# Altium PCB PCB_with_drawing.PcbDoc (part 5 of 5)
Units mm, origin at the board's own origin, x right, y up, seen from the top; angles counter-clockwise.
Board outline 425 x 295 mm, 2 copper layers (Top Layer, Bottom Layer), stack 3.4 mm thick; 489 components, 419 nets, 1569 pads, 847 vias.
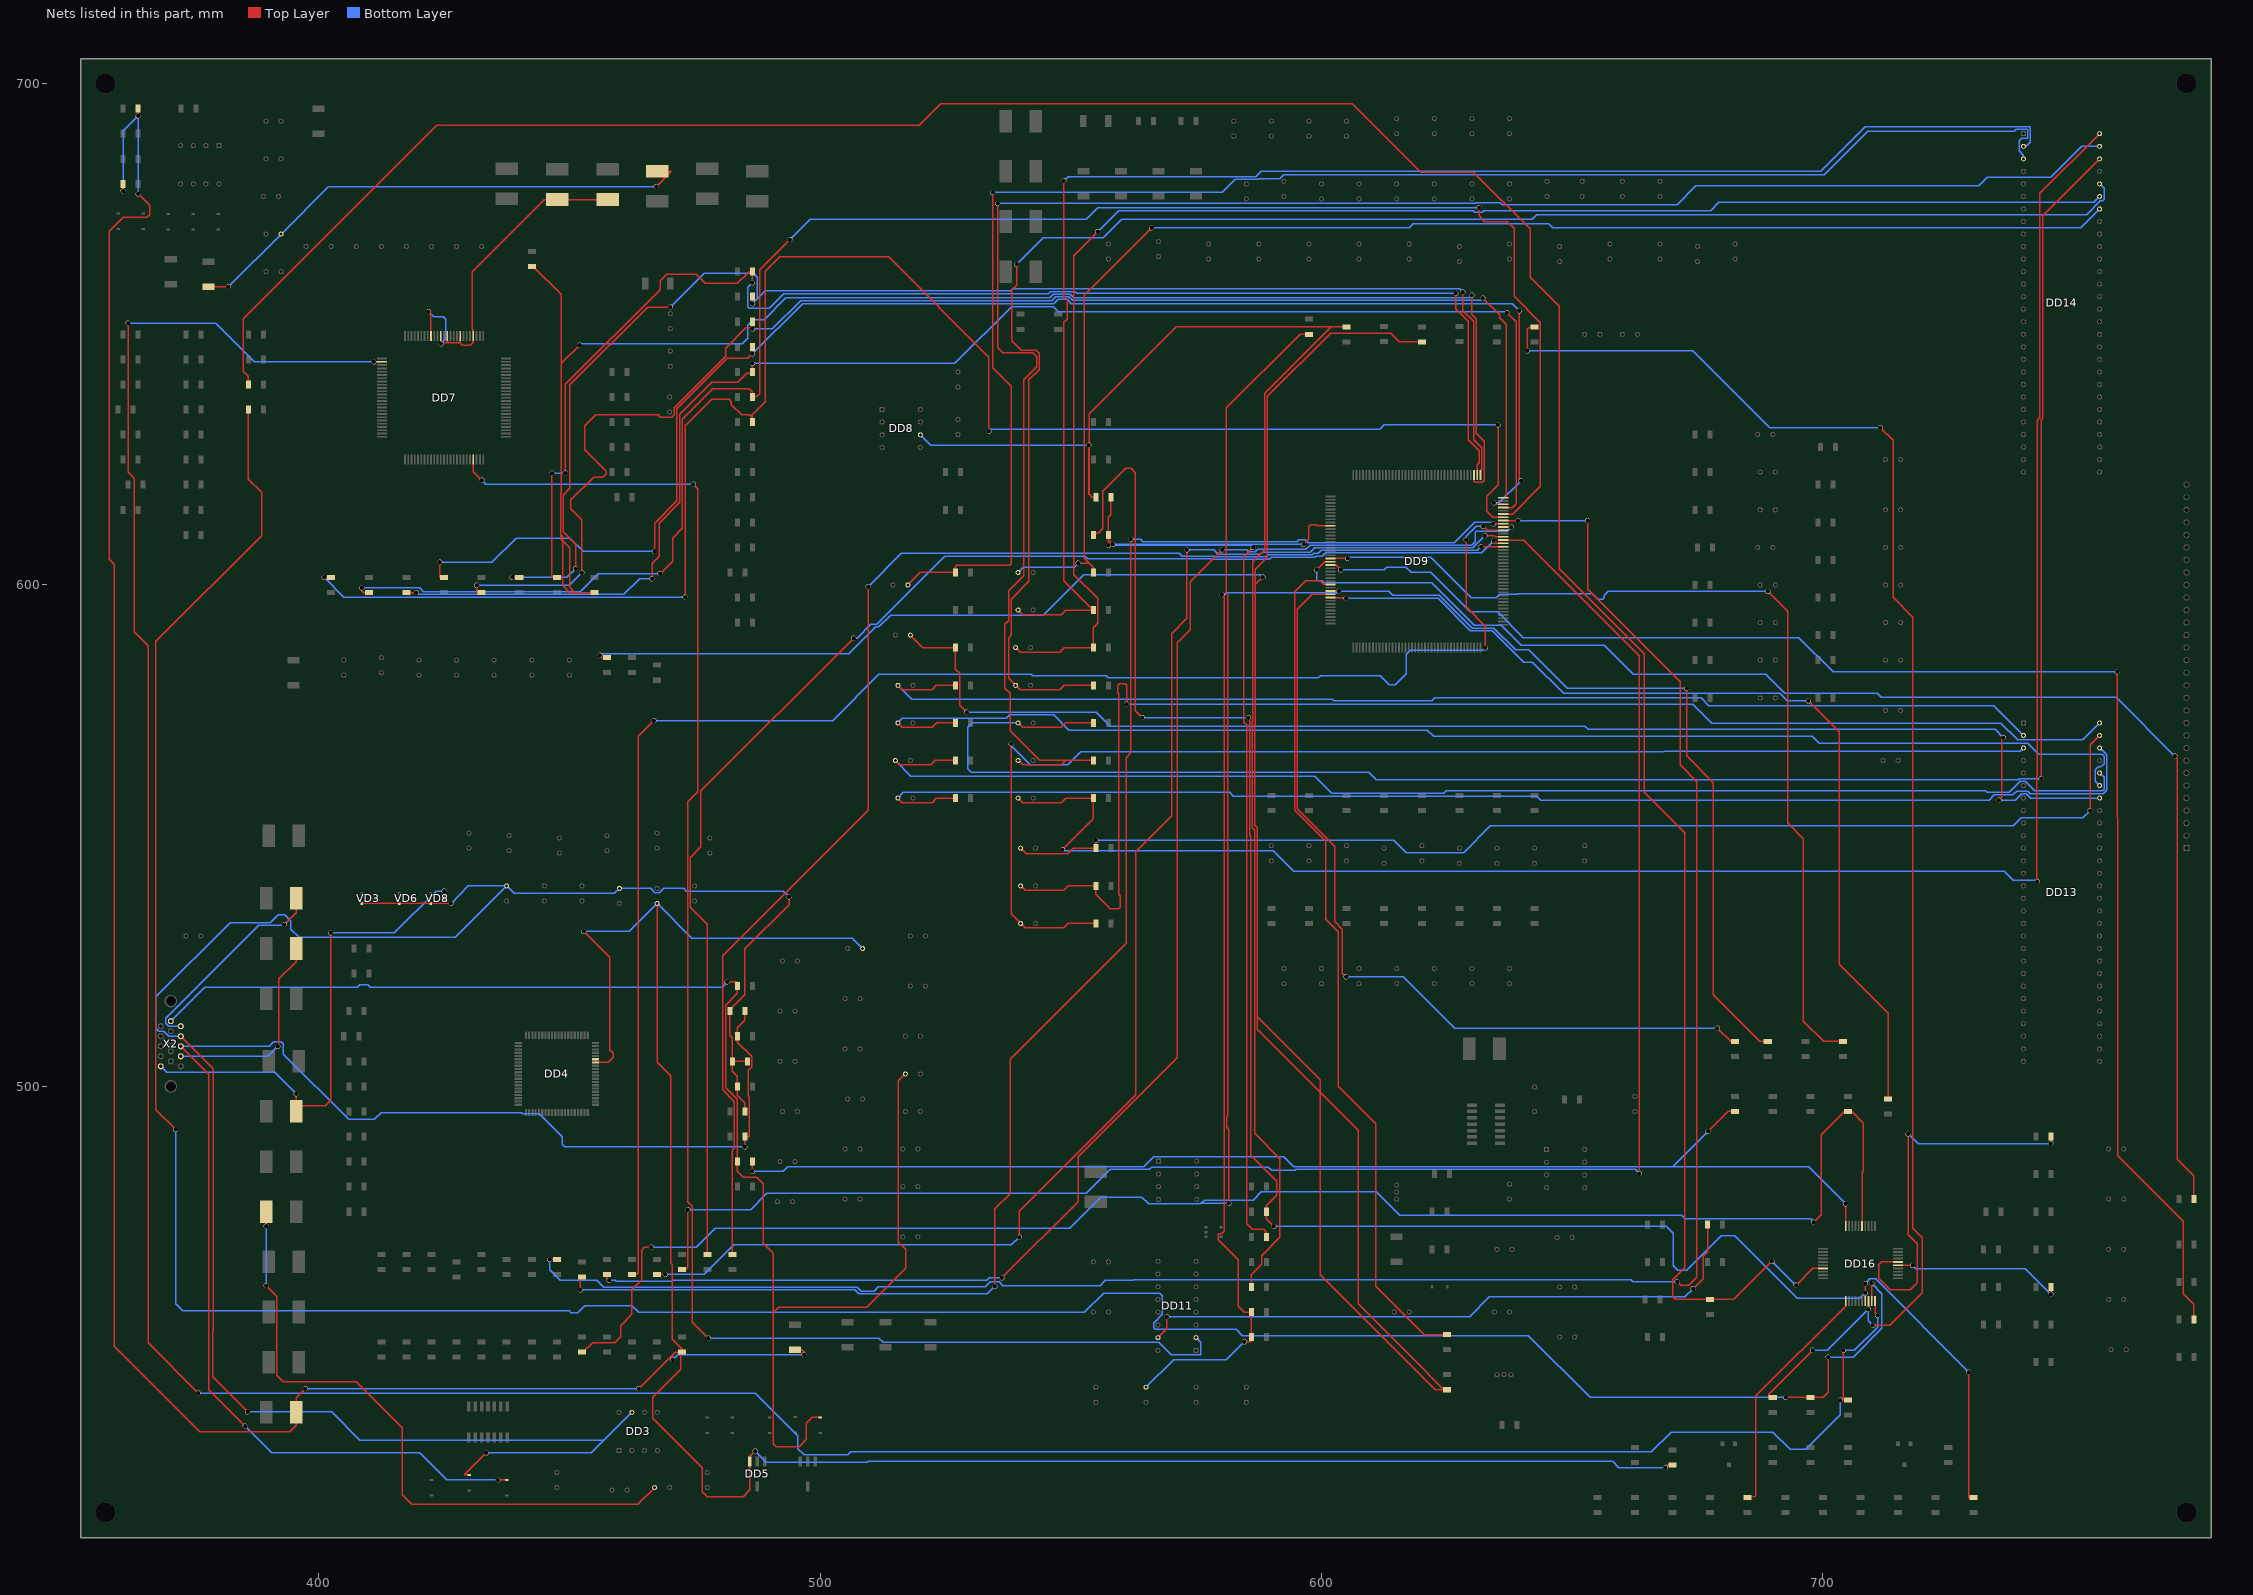
[diagram p5: the nets of this part, all layers, seen from the top]

## Via types
v1: diameter 1, hole 0.9, Top Layer to Bottom Layer, 847 vias

## Nets (pads, with @x,y where several pads share a name; then routed paths per layer and width w, separated by ;. In a path a pad name is that pad's centre, name@x,y a point inside that pad or via, vN(x,y) a via of type N, cw(c..) or ccw(c..) an arc to the next point about the centre after c; other vN are vias at no path point) (continued)
OSD_B: DD9.22 R190.2 | length 301.7
  Top Layer w0.25: DD9.22@601.8,604 602.805,604 v1(603.809,602.996) ; v1(758.657,582.676) 758.657,553.679 758.85,553.486 758.85,486.131 771.83,473.151 771.83,458.684 774,456.514 R190.2@774,453.5
  Bottom Layer w0.25: v1(603.809,602.996) 612.47,602.996 613.054,603.58 616.788,603.58 617.855,602.513 621.789,602.513 629.688,594.614 635.152,594.614 640.258,589.509 695.223,589.509 702.056,582.676 v1(758.657,582.676)
OSD_CLK: C131.1 DD9.30 R175.2 R176.2 R193.2 | length 359.3
  Top Layer w0.25: v1(580.136,598.103) 580.644,597.595 580.644,494.61 580.556,494.523 580.556,491.02 580.644,490.932 580.644,471.094 580.136,470.586 579.375,470.586 579.375,469.417 583.387,465.405 583.387,456.184 584.581,454.99 R175.2@586,454.99 ; v1(584.606,449.072) 586,449.072 R176.2@586,450 R175.2@586,454.99 ; R175.2@586,455 R175.2@586,454.99 ; DD9.30@601.8,598.8 v1(603.428,598.8) ; v1(672.821,579.374) 672.821,565.937 678.155,560.603 678.155,518.296 687.451,509 R193.2@689,509
  Bottom Layer w0.25: C131.1@565,440 570.491,445.491 581.025,445.491 v1(584.606,449.072) ; v1(580.136,598.103) 580.644,598.103 580.974,598.433 603.061,598.433 v1(603.428,598.8) 613.364,598.8 614.172,597.992 623.519,597.992 630.098,591.414 634.34,591.414 638.708,587.045 641.299,587.045 648.97,579.374 v1(672.821,579.374)
OSD_G: DD9.21 R191.2 | length 281.1
  Top Layer w0.25: v1(599.034,602.996) 600.688,604.65 DD9.21@601.8,604.65 ; v1(770.204,565.887) 770.712,565.379 770.712,485.431 774,482.143 R191.2@774,477.5
  Bottom Layer w0.25: v1(599.034,602.996) 599.034,600.964 599.161,600.837 600.114,600.837 600.495,600.456 621.944,600.456 630.467,591.933 635.852,591.933 639.801,587.985 656.387,587.985 662.178,582.193 688.619,582.193 692.37,578.443 710.797,578.443 711.626,577.613 758.478,577.613 v1(770.204,565.887)
OSD_HS: DD9.31 R194.2 | length 168.1
  Top Layer w0.25: DD9.31@601.8,598.15 598.195,598.15 595.194,595.149 595.194,555.324 602.615,547.903 602.615,532.892 604.164,531.343 604.164,522.605 v1(604.901,521.868) ; v1(678.967,511.607) 681.574,509 R194.2@682.5,509
  Bottom Layer w0.25: v1(604.901,521.868) 616.355,521.868 626.617,511.607 v1(678.967,511.607)
OSD_R: DD9.20 R192.2 | length 190.4
  Top Layer w0.25: DD9.20@601.8,605.3 605.224,605.3 v1(605.231,605.307) ; v1(689,598.703) 692.963,594.741 692.963,552.577 696.104,549.436 696.104,513.038 700.142,509 R192.2@704,509
  Bottom Layer w0.25: v1(605.231,605.307) 605.45,605.526 621.827,605.526 629.869,597.484 634.819,597.484 635.515,598.18 639.084,598.18 639.183,598.279 653.976,598.279 655.066,597.189 656.082,597.189 656.428,597.535 656.428,597.916 657.215,598.703 v1(689,598.703)
OSD_VS: DD9.32 R195.2 | length 189.8
  Top Layer w0.25: DD9.32@601.8,597.5 604.723,597.5 v1(604.917,597.306) ; v1(697.078,576.885) 703.25,570.713 703.25,524.383 713,514.633 R195.2@713,497.5
  Bottom Layer w0.25: v1(604.917,597.306) 623.291,597.306 629.709,590.888 634.052,590.888 640.322,584.618 642.074,584.618 648.309,578.383 691.388,578.383 692.887,576.885 v1(697.078,576.885)
P3_3V: C41.1 C44.2 L15.2 | length 104.7
  Top Layer w0.25: C41.1@378,659.5 v1(382,659.5) ; v1(467.309,679.45) 470.359,682.5 L15.2@467.5,682.5
  Bottom Layer w0.25: v1(382,659.5) C44.2@392.5,670 401.95,679.45 v1(467.309,679.45)
P3V3: C16.2 C38.1 C40.1 DD4.34 DD4.35 DD5.3 L12.1 R22.1 R52.1 R53.1 R237.2 | length 855.2
  Top Layer w0.25: R53.1@361,680 361,678.571 v1(361.01,678.561) ; v1(364,678.002) 366.268,675.734 366.268,673.811 365.76,673.303 361.01,673.303 358.267,670.56 358.267,605.155 359.258,604.164 359.258,448.158 376.25,431.165 394.208,431.165 395.5,432.457 L12.1@395.5,435 395.5,437.867 v1(397.358,439.725) ; v1(364,693.572) R52.1@364,695 ; v1(452.857,530.911) 458.038,525.729 458.038,507.314 458.765,506.588 458.765,505.831 457.709,504.775 DD4.34@455.222,504.775 DD4.35@455.222,505.425 ; v1(463.793,439.725) 470.575,446.507 ; C16.2@467.5,536.5 467.5,504.776 470.179,502.097 470.179,464.779 470.521,464.438 470.521,449.594 472.5,447.615 R22.1@472.5,447 R22.1@472.211,447 ; v1(470.575,445.491) 470.575,446.507 ; v1(487.07,427.269) 486,426.199 DD5.3@486,425.175 486,419.528 484.632,418.16 477.52,418.16 476.504,419.176 476.504,423.977 466.649,433.832 466.649,438.048 472.211,443.611 R22.1@472.211,447 ; C40.1@495,447.5 496.313,447.5 496.824,446.989 v1(496.824,446.481) ; v1(668.579,423.977) 669.102,424.5 R237.2@670,424.5 ; 470.575,446.507 471.068,447 R22.1@472.211,447
  Bottom Layer w0.25: v1(361.01,678.561) 361.01,690.583 v1(364,693.572) v1(364,678.002) ; v1(397.358,439.725) v1(463.793,439.725) ; v1(452.857,530.911) 461.911,530.911 C16.2@467.5,536.5 474.405,529.595 506.405,529.595 C38.1@508.5,527.5 ; v1(470.575,445.491) 471.566,446.481 v1(496.824,446.481) ; v1(487.07,427.269) 489.312,425.028 509.412,425.028 509.58,425.196 658.089,425.196 659.308,423.977 v1(668.579,423.977)
PD: DD7.2 DD16.30 R228.2 | length 642
  Top Layer w0.25: v1(361.975,652.221) 361.975,622.452 363.169,621.259 363.169,590.702 365.963,587.908 365.963,448.894 v1(376.022,438.836) ; v1(411.023,644.5) DD7.2@412.65,644.5 ; v1(703.493,437.413) v1@703.58,437.5 ; v1(704.088,447.345) 704.088,438.008 v1@703.58,437.5 ; R228.2@705,437.5 v1@703.58,437.5 ; DD16.30@710.4,457.2 710.4,454.85 v1(710.895,454.355)
  Bottom Layer w0.25: v1(361.975,652.221) 379.425,652.221 387.147,644.5 v1(411.023,644.5) ; v1(376.022,438.836) 487.045,438.836 495.554,430.327 495.554,427.736 496.799,426.491 505.536,426.491 506.146,427.101 665.785,427.101 669.722,431.038 690.042,431.038 693.471,427.609 696.62,427.609 703.493,434.482 v1(703.493,437.413) ; v1(704.088,447.345) 706.272,447.345 710.895,451.968 v1(710.895,454.355)
PDO: DD16.29 R57.2 R227.2 | length 571.5
  Top Layer w0.25: v1(371.475,491.414) 367.513,495.376 367.513,588.742 388.616,609.846 388.616,618.506 386,621.123 R57.2@386,635 ; v1(692.554,438) R227.2@697.5,438 700.024,438 701.065,439.041 v1(701.065,445.999) ; DD16.29@709.75,457.2 v1(709.75,460.718)
  Bottom Layer w0.25: v1(371.475,491.414) 371.475,456.692 372.872,455.295 449.924,455.295 450.321,454.898 451.682,454.898 453.085,456.301 462.473,456.301 463.835,454.939 552.729,454.939 556.565,458.775 567.715,458.775 568.274,458.216 568.274,454.584 566.496,452.806 566.496,451.866 566.821,451.541 582.976,451.541 584.2,450.317 641.248,450.317 653.565,438 v1(692.554,438) ; v1(701.065,445.999) 706.067,445.999 711.787,451.718 711.787,458.681 v1(709.75,460.718)
PKA_GND: DD7.79 DD7.83 DD7.87 DD7.89 DD7.92 L16.2 L17.2 | length 74.5
  Top Layer w0.25: v1(421.894,654.527) 422.4,654.021 DD7.92@422.4,649.7 ; v1(424.358,648.081) 424.35,648.089 DD7.89@424.35,649.7 424.358,648.36 425.65,648.36 425.65,648.61 ; DD7.87@425.65,649.7 425.65,648.61 ; DD7.83@428.25,649.7 428.25,648.562 ; L16.2@457.62,676.88 L17.2@447.62,676.88 445.033,676.88 430.621,662.468 430.621,651.027 430.85,650.798 DD7.79@430.85,649.7 430.85,648.416 430.276,647.842 428.616,647.842 428.25,648.208 428.25,648.562 ; 425.65,648.61 425.958,648.302 427.99,648.302 428.25,648.562
  Bottom Layer w0.25: v1(421.894,654.527) 422.91,653.511 424.871,653.511 425.374,653.009 425.374,649.097 v1(424.358,648.081)
POWER_ON_OFF: DD16.21 R211.2 | length 48
  Top Layer w0.25: R211.2@685,418 686.605,418.246 686.605,438.253 704.55,456.198 DD16.21@704.55,457.2
PSC0: DD16.35 R220.2 | length 34.4
  Top Layer w0.25: DD16.35@714.95,464.35 717.842,464.35 v1(717.88,464.312) ; v1(745.49,458.582) 745.5,458.592 R220.2@745.5,460
  Bottom Layer w0.25: v1(717.88,464.312) 718.515,463.677 740.395,463.677 v1(745.49,458.582)
PSC1: DD16.36 R210.2 | length 77.1
  Top Layer w0.25: DD16.36@714.95,465 711.708,465 711.124,464.416 711.124,461.747 713.384,459.486 717.398,459.486 718.795,460.883 718.795,468.63 716.991,470.433 v1(716.991,490.55) ; v1(745.49,488.569) 745.5,488.579 R210.2@745.5,490
  Bottom Layer w0.25: v1(716.991,490.55) 718.972,488.569 v1(745.49,488.569)
R_IN: L6.1 VD8.3 X2.1 | length 101.1
  Top Layer w0.25: L6.1@395.5,495 L6.1@395.5,496.164 ; v1(395.5,498.526) L6.1@395.5,496.164 ; v1(402.361,530.606) 402.361,497.205 401.32,496.164 L6.1@395.5,496.164 ; VD8.3@425,537.5 425.018,537.5 v1(425.018,538.937)
  Bottom Layer w0.25: X2.1@368.5,504 369.707,502.793 391.233,502.793 v1(395.5,498.526) ; v1(402.361,530.606) 415.112,530.606 423.443,538.937 v1(425.018,538.937)
R_INA0: DD9.105 R48.2 | length 276.9
  Top Layer w0.25: R48.2@482.5,466.5 482.524,466.5 482.524,487.248 482.93,487.655 482.93,496.976 480.593,499.313 480.593,526.085 509.575,555.066 v1(509.575,599.669) ; v1(631.825,607.65) DD9.105@636.25,607.65
  Bottom Layer w0.25: v1(509.575,599.669) 516.204,606.298 571.678,606.298 572.273,605.702 578.687,605.702 578.785,605.605 588.917,605.605 589.382,606.069 598.145,606.069 598.424,606.349 599.389,606.349 599.973,606.933 631.108,606.933 v1(631.825,607.65)
R_INA1: DD9.106 R47.2 | length 276.1
  Top Layer w0.25: R47.2@477.5,466.5 477.495,466.5 477.495,532.384 474.116,535.762 474.116,545.643 476.225,547.751 476.225,558.927 v1(506.705,589.407) ; v1(634.352,608.8) 634.852,608.3 DD9.106@636.25,608.3
  Bottom Layer w0.25: v1(506.705,589.407) 507.422,589.407 510.152,592.137 511.263,592.137 524.856,605.73 552.813,605.73 553.344,605.198 578.183,605.198 578.281,605.101 589.596,605.101 590.053,605.558 598.66,605.558 598.819,605.717 600.192,605.717 600.891,606.416 631.968,606.416 v1(634.352,608.8)
R_INA2: DD9.107 R46.2 | length 346.9
  Top Layer w0.25: R46.2@472.5,463.5 473.33,463.5 473.634,463.804 v1(473.634,475.437) ; DD9.107@636.25,608.95 640.359,608.95 663.397,585.912 v1(663.397,482.6)
  Bottom Layer w0.25: v1(473.634,475.437) 486.207,475.437 489.409,478.64 553.087,478.64 557.886,483.438 565.632,483.438 566.117,483.923 589.38,483.923 590.05,483.253 594.773,483.253 594.958,483.438 662.559,483.438 v1(663.397,482.6)
R_INA3: DD9.108 R45.2 | length 291.3
  Top Layer w0.25: R45.2@467.5,462.5 469.129,462.5 v1(469.138,462.509) ; v1(539.75,469.951) 539.75,475.107 562.991,498.348 562.991,546.837 570.103,553.949 570.103,590.271 573.151,593.319 v1(573.151,607.009) ; v1(632.577,609.829) 634.492,609.829 634.721,609.6 DD9.108@636.25,609.6
  Bottom Layer w0.25: v1(469.138,462.509) 476.936,462.509 482.803,468.376 538.175,468.376 v1(539.75,469.951) ; v1(573.151,607.009) 578.49,607.009 579.39,606.109 587.767,606.109 588.236,606.577 597.773,606.577 598.648,607.453 630.201,607.453 v1(632.577,609.829)
R_INA4: DD9.110 R44.2 | length 321.4
  Top Layer w0.25: R44.2@462.5,462.5 463.465,462.5 463.753,462.788 463.753,569.849 v1(466.852,572.948) ; v1(628.828,609.067) 628.828,595.655 632.663,591.82 v1(632.663,587.477) ; v1(632.257,611.683) 633.04,610.9 DD9.110@636.25,610.9
  Bottom Layer w0.25: v1(466.852,572.948) 502.515,572.948 511.736,582.168 542.112,582.168 542.392,581.889 557.073,581.889 557.495,581.467 599.402,581.467 599.835,581.9 611.757,581.9 613.562,580.095 614.739,580.095 616.942,582.298 616.942,586.187 617.728,586.973 632.159,586.973 v1(632.663,587.477) ; v1(628.828,609.067) 628.828,609.691 630.819,611.683 v1(632.257,611.683)
R_INA5: DD9.111 R43.2 | length 306.1
  Top Layer w0.25: R43.2@457.5,462.5 457.479,462.5 457.479,461.772 v1(457.937,461.315) ; v1(536.27,461.823) 551.459,477.012 551.459,485.927 571.271,505.739 571.271,588.518 573.786,591.033 573.786,600.634 v1(580.161,607.009) ; DD9.111@636.25,611.55 v1(637.87,611.55)
  Bottom Layer w0.25: v1(457.937,461.315) 459.13,461.315 459.334,461.112 470.408,461.112 470.611,461.315 533.273,461.315 533.781,461.823 v1(536.27,461.823) ; v1(580.161,607.009) 585.099,607.009 585.495,606.613 586.801,606.613 587.273,607.085 596.9,607.085 597.772,607.957 629.928,607.957 630.631,608.66 630.631,610.565 630.784,610.718 637.038,610.718 v1(637.87,611.55)
R_INA6: DD9.112 R42.2 | length 323.4
  Top Layer w0.25: v1(452.196,459.435) 452.196,462 R42.2@452.5,462 ; v1(534.848,460.121) 534.848,475.564 537.921,478.638 537.921,505.46 561.035,528.574 561.035,565.531 562,566.496 v1(562,609.117) ; v1(634.289,612.2) DD9.112@636.25,612.2
  Bottom Layer w0.25: v1(452.196,459.435) 456.382,459.435 456.391,459.426 506.886,459.426 507.676,458.636 533.363,458.636 v1(534.848,460.121) ; v1(562,609.117) 563.931,609.117 564.388,608.66 595.173,608.66 595.503,608.99 596.802,608.99 597.332,608.461 626.429,608.461 630.53,612.562 633.927,612.562 v1(634.289,612.2)
R_INA7: DD9.113 R41.2 | length 413.5
  Top Layer w0.25: v1(446.075,465.5) R41.2@447.5,465.5 ; DD9.113@636.25,612.85 v1(639.192,612.851) v1(639.192,612.851) ; v1(653.085,612.851) 653.085,599.161 671.525,580.72 671.525,564.159 674.878,560.807 674.878,461.97 673.24,460.331 671.696,460.331 v1(670.941,461.086)
  Bottom Layer w0.25: v1(446.075,465.5) 446.075,463.474 448.208,461.34 455.486,461.34 456.895,459.93 507.388,459.93 508.178,459.14 510.779,459.14 511.632,459.994 532.953,459.994 533.959,461 535.737,461 536.463,460.273 555.828,460.273 556.905,461.35 562.417,461.35 562.534,461.467 661.67,461.467 662.051,461.086 v1(670.941,461.086) ; v1(639.192,612.851) v1(653.085,612.851)
R_INB0: DD9.114 R65.2 R107.2 | length 350.6
  Top Layer w0.25: v1(401.066,601.497) 401.069,601.5 R107.2@402.5,601.5 ; v1(473.075,597.56) 473.075,631.728 478.353,637.007 481.838,637.007 482.321,636.524 482.321,635.991 484.327,633.984 485.992,633.984 486.5,633.476 ; R65.2@486.5,632.5 486.5,633.476 ; v1(533.679,630.657) 533.679,645.465 513.715,665.429 491.947,665.429 489.052,662.534 489.052,636.549 486.5,633.998 486.5,633.476 ; v1(635.178,631.927) 635.291,631.814 635.291,619.949 632.993,617.652 632.993,614.68 634.173,613.5 DD9.114@636.25,613.5
  Bottom Layer w0.25: v1(401.066,601.497) 405.003,597.56 v1(473.075,597.56) ; v1(533.679,630.657) 534.035,631.012 611.581,631.012 612.496,631.927 v1(635.178,631.927)
R_INB1: DD9.115 R64.2 R106.2 | length 361.9
  Top Layer w0.25: v1(408.584,599.415) 408.584,598.856 408.94,598.5 R106.2@410,598.5 ; v1(468.097,602.259) 470.586,604.749 470.586,609.346 472.549,611.309 472.549,633.052 478.638,639.14 485.916,639.14 486.5,638.556 R64.2@486.5,637.5 487.31,637.5 487.959,638.15 487.959,662.864 v1(493.979,668.884) ; v1(631.444,675.259) 631.444,673.608 632.562,672.49 637.032,672.49 638.404,671.119 638.404,657.555 643.636,652.323 643.636,619.662 638.124,614.15 DD9.115@636.25,614.15
  Bottom Layer w0.25: v1(408.584,599.415) 420.116,599.415 420.903,598.627 452.171,598.627 455.803,602.259 v1(468.097,602.259) ; v1(493.979,668.884) 497.992,672.897 553.06,672.897 555.422,675.259 v1(631.444,675.259)
R_INB2: DD9.117 R63.2 R105.2 | length 302.8
  Top Layer w0.25: R105.2@417.5,598.5 v1(419.506,598.5) ; v1(466.522,601.243) 466.522,604.368 467.893,605.739 467.893,612.349 472.045,616.5 472.045,634.009 478.421,640.385 483.616,640.385 485.419,642.188 486.5,642.188 R63.2@486.5,642.5 v1(486.5,644.195) ; DD9.117@636.25,615.45 638.056,615.45 638.81,616.204 638.81,652.475 v1(636.981,654.304)
  Bottom Layer w0.25: v1(419.506,598.5) 419.887,598.119 460.883,598.119 464.007,601.243 v1(466.522,601.243) ; v1(486.5,644.195) 526.898,644.195 538.201,655.498 546.506,655.498 547.497,654.507 636.778,654.507 v1(636.981,654.304)
R_INB3: DD9.118 R61.2 R104.2 | length 302.8
  Top Layer w0.25: v1(424.18,604.545) 424.18,601.5 R104.2@425,601.5 ; v1(467.004,606.679) 467.004,612.318 471.458,616.772 471.458,635.136 481.508,645.185 485.612,645.185 v1(486.5,646.073) R61.2@486.5,647.5 ; v1(634.395,616.382) 634.677,616.1 DD9.118@636.25,616.1 ; v1(639.47,654.66) 639.47,621.132 v1(639.801,620.801)
  Bottom Layer w0.25: v1(424.18,604.545) 434.553,604.545 439.365,609.357 450.104,609.357 452.783,606.679 v1(467.004,606.679) ; v1(486.5,646.073) 496.518,656.091 546.586,656.091 547.497,657.002 549.265,657.002 550.134,656.133 637.997,656.133 v1(639.47,654.66) ; v1(634.395,616.382) 635.381,616.382 v1(639.801,620.801)
R_INB4: DD9.120 R60.2 R103.2 | length 296.6
  Top Layer w0.25: v1(431.495,599.948) 431.495,598.5 R103.2@432.5,598.5 ; v1(452.476,602.463) 452.476,613.029 450.317,615.188 450.317,616.964 454.839,621.487 456.692,621.487 457.352,622.148 457.352,622.732 453.111,626.974 453.111,631.749 455.295,633.933 467.69,633.933 468.147,633.476 470.383,633.476 470.891,633.984 470.891,635.356 481.203,645.668 481.203,647.243 485.216,651.256 v1@486.5,651.256 ; v1(486.5,651.078) v1@486.5,651.256 ; R60.2@486.5,652.5 v1@486.5,651.256 ; v1(632.206,657.225) 635.555,653.876 635.555,653.288 636.854,651.988 636.854,617.4 DD9.120@636.25,617.4
  Bottom Layer w0.25: v1(431.495,599.948) 449.961,599.948 v1(452.476,602.463) ; v1(486.5,651.078) 490.499,651.078 496.104,656.683 546.17,656.683 546.993,657.506 549.615,657.506 550.353,656.768 625.401,656.768 625.413,656.756 631.737,656.756 v1(632.206,657.225)
R_INB5: DD9.121 R58.2 R102.2 | length 287.1
  Top Layer w0.25: v1(438.584,601.497) 438.587,601.5 R102.2@440,601.5 ; v1(451.256,603.25) 451.256,608.136 448.743,610.65 448.743,617.932 450.113,619.303 450.113,639.902 465.607,655.396 v1(470.129,655.396) ; v1(486.5,656.073) R58.2@486.5,657.5 ; v1(628.218,658.419) 628.218,654.736 630.377,652.577 630.377,629.008 631.998,627.387 631.998,623.08 631.7,622.783 DD9.121@631.7,621.95
  Bottom Layer w0.25: v1(438.584,601.497) 449.504,601.497 v1(451.256,603.25) ; v1(470.129,655.396) 476.885,662.153 486.74,662.153 487.477,661.416 487.477,657.05 ; v1(486.5,656.073) 487.477,657.05 ; v1(628.218,658.419) 627.583,659.054 538.404,659.054 537.997,658.647 489.074,658.647 487.477,657.05
R_INB6: DD9.122 R55.2 R101.2 | length 279.8
  Top Layer w0.25: v1(446.532,622.3) 446.532,601.5 R101.2@447.5,601.5 ; v1(449.224,622.3) 449.224,640.055 468.097,658.927 468.097,660.654 469.392,661.949 475.285,661.949 477.088,660.146 483.489,660.146 485.843,662.5 R55.2@486.5,662.5 v1(486.5,660.248) ; v1(626.796,658.139) 626.796,655.097 629.31,652.582 629.31,628.923 631.494,626.74 631.494,624.375 631.05,623.931 DD9.122@631.05,621.95
  Bottom Layer w0.25: v1(446.532,622.3) v1(449.224,622.3) ; v1(486.5,660.248) 485.597,659.345 485.597,655.498 485.902,655.193 489.864,655.193 492.735,658.063 545.534,658.063 545.985,658.514 550.777,658.514 551.152,658.139 v1(626.796,658.139)
R_INB7: DD9.123 R54.2 R100.2 | length 317.1
  Top Layer w0.25: R54.2@442.5,663.5 442.798,663.5 448.345,657.953 448.345,644.179 ; v1(452.018,647.852) 448.345,644.179 ; R100.2@455,598.5 451.104,598.5 ; v1(629.971,657.784) 629.971,654.044 630.885,653.129 630.885,630.301 632.502,628.684 632.502,620.869 632.079,620.446 630.682,620.446 630.4,620.728 DD9.123@630.4,621.95 ; 448.239,610.055 448.239,609.249 448.683,608.806 ; 448.239,610.055 448.683,609.611 448.683,608.806 ; 448.239,610.055 448.239,618.227 448.345,618.334 448.345,644.179 ; 448.683,608.806 450.088,607.4 450.088,599.516 451.104,598.5 ; 448.683,608.806 448.683,599.905 450.088,598.5 451.104,598.5
  Bottom Layer w0.25: v1(452.018,647.852) 452.298,648.132 484.48,648.132 485.572,649.224 485.572,651.84 486.664,652.932 488.823,652.932 493.166,657.276 545.755,657.276 546.489,658.01 549.869,658.01 550.603,657.276 625.891,657.276 625.907,657.26 629.447,657.26 v1(629.971,657.784)

## Text inside footprints (layer, text, board x,y; h text height)
ZBOAS167381397: Mechanical 7 "А" at 26.78,2277.307 h15.36 r90; Mechanical 12 "R82" at 130.551,2075.404 h1.52 r90; Mechanical 12 "R83" at 125.547,2076.394 h1.52 r90; Mechanical 12 "R85" at 115.539,2075.404 h1.52 r90; Mechanical 12 "R86" at 110.535,2074.413 h1.52 r90; Mechanical 12 "R88" at 100.528,2075.404 h1.52 r90; Mechanical 12 "R89" at 95.549,2075.404 h1.52 r90; Mechanical 12 "R53" at 65.527,2075.404 h1.52 r90; Mechanical 12 "R51" at 60.548,2075.404 h1.52 r90; Mechanical 12 "R52" at 50.541,2075.404 h1.52 r90; Mechanical 12 "L9" at 278.638,2103.158 h1.52 r90; Mechanical 12 "L6" at 248.647,2102.648 h1.52 r90; Mechanical 12 "L5" at 238.628,2103.16 h1.52 r90; Mechanical 12 "L3" at 216.141,2102.658 h1.52 r90; Mechanical 12 "L2" at 206.13,2102.658 h1.52 r90; Mechanical 12 "R57" at 110.535,2100.408 h1.52 r90; Mechanical 12 "R62" at 100.528,2100.408 h1.52 r90; Mechanical 12 "R59" at 95.549,2100.408 h1.52 r90; Mechanical 12 "C43" at 160.65,2108.449 h1.52 r90; Mechanical 12 "C46" at 160.446,2117.466 h1.52 r90; Mechanical 12 "R107" at 144.394,2116.552 h1.52 r90; Mechanical 12 "VD3" at 207.622,2123.507 h1.52 r90; Mechanical 12 "C48" at 159.938,2124.959 h1.52 r90; Mechanical 12 "R106" at 144.394,2124.045 h1.52 r90; Mechanical 12 "R11" at 296.878,2131.551 h1.52 r90; Mechanical 12 "R35" at 279.384,2131.559 h1.52 r90; Mechanical 12 "VD6" at 207.622,2131 h1.52 r90; Mechanical 12 "C51" at 160.446,2132.452 h1.52 r90; Mechanical 12 "R105" at 144.394,2131.563 h1.52 r90; Mechanical 12 "R13" at 296.882,2141.566 h1.52 r90; Mechanical 12 "R37" at 280.886,2141.562 h1.52 r90; Mechanical 12 "C53" at 160.446,2139.945 h1.52 r90; Mechanical 12 "R104" at 144.394,2139.056 h1.52 r90; Mechanical 12 "C10" at 205.444,2149.958 h1.52 r90; Mechanical 12 "C54" at 160.446,2147.463 h1.52 r90; Mechanical 12 "L18" at 61.64,2149.659 h1.52 r90; Mechanical 12 "R16" at 296.9,2156.559 h1.52 r90; Mechanical 12 "R40" at 280.386,2156.555 h1.52 r90; Mechanical 12 "C20" at 205.429,2157.465 h1.52 r90; Mechanical 12 "R54" at 79.395,2156.557 h1.52 r90; Mechanical 12 "R18" at 295.887,2166.546 h1.52 r90; Mechanical 12 "R42" at 280.897,2166.545 h1.52 r90; Mechanical 12 "C7" at 205.427,2164.958 h1.52 r90; Mechanical 12 "DD3" at 311.149,2173.796 h1.52 r90; Mechanical 12 "R19" at 295.876,2171.545 h1.52 r90; Mechanical 12 "R43" at 280.4,2171.556 h1.52 r90; Mechanical 12 "C13" at 205.927,2172.462 h1.52 r90; Mechanical 12 "R99" at 160.396,2171.543 h1.52 r90; Mechanical 12 "R95" at 128.036,2173.905 h1.52 r90; Mechanical 12 "R94" at 123.032,2172.914 h1.52 r90; Mechanical 12 "R93" at 118.028,2172.914 h1.52 r90; Mechanical 12 "R91" at 108.046,2172.914 h1.52 r90; Mechanical 12 "R90" at 103.042,2172.914 h1.52 r90; Mechanical 12 "R21" at 296.889,2181.564 h1.52 r90; Mechanical 12 "R45" at 280.386,2181.557 h1.52 r90; Mechanical 12 "C16" at 205.927,2179.955 h1.52 r90; Mechanical 12 "C50" at 107.945,2182.465 h1.52 r90; Mechanical 12 "C47" at 98.826,2182.566 h1.52 r90; Mechanical 12 "C45" at 91.308,2182.566 h1.52 r90; Mechanical 12 "C15" at 322.427,2189.95 h1.52 r90; Mechanical 12 "C23" at 195.93,2190.462 h1.52 r90; Mechanical 12 "L14" at 61.64,2189.41 h1.52 r90; Mechanical 12 "VD10" at 312.245,2196.75 h1.52 r90; Mechanical 12 "R48" at 279.388,2196.545 h1.52 r90; Mechanical 12 "R9" at 265.545,2197.914 h1.52 r90; Mechanical 12 "R7" at 255.527,2196.396 h1.52 r90; Mechanical 12 "R5" at 245.544,2197.904 h1.52 r90; Mechanical 12 "R4" at 240.537,2196.908 h1.52 r90; Mechanical 12 "R2" at 230.533,2196.411 h1.52 r90; Mechanical 12 "R1" at 225.532,2197.905 h1.52 r90; Mechanical 12 "R80" at 148.026,2197.908 h1.52 r90; Mechanical 12 "R79" at 143.047,2196.409 h1.52 r90; Mechanical 12 "R77" at 133.04,2197.908 h1.52 r90; Mechanical 12 "R76" at 128.036,2197.908 h1.52 r90; Mechanical 12 "R75" at 123.032,2197.908 h1.52 r90; Mechanical 12 "R74" at 118.028,2197.908 h1.52 r90; Mechanical 12 "R64" at 108.046,2197.908 h1.52 r90; Mechanical 12 "R63" at 103.042,2197.908 h1.52 r90; Mechanical 12 "R61" at 98.039,2197.908 h1.52 r90; Mechanical 12 "R60" at 93.035,2197.908 h1.52 r90; Mechanical 12 "R55" at 83.027,2197.908 h1.52 r90; Mechanical 12 "L13" at 62.148,2199.392 h1.52 r90; Mechanical 12 "VD9" at 312.245,2204.254 h1.52 r90; Mechanical 12 "C26" at 248.931,2206.46 h1.52 r90; Mechanical 12 "C27" at 238.927,2205.955 h1.52 r90; Mechanical 12 "C28" at 228.949,2205.96 h1.52 r90; Mechanical 12 "VD5" at 312.227,2214.258 h1.52 r90; Mechanical 12 "C1" at 273.944,2230.46 h1.52 r90; Mechanical 12 "C2" at 263.944,2230.449 h1.52 r90; Mechanical 12 "C3" at 256.451,2230.46 h1.52 r90; Mechanical 12 "C4" at 248.928,2230.946 h1.52 r90; Mechanical 12 "C5" at 241.442,2230.942 h1.52 r90; Mechanical 12 "C9" at 233.932,2230.963 h1.52 r90; Mechanical 12 "C12" at 223.932,2231.946 h1.52 r90; Mechanical 12 "C101" at 171.425,2229.464 h1.52 r90; Mechanical 12 "C104" at 163.932,2229.464 h1.52 r90; Mechanical 12 "C110" at 143.925,2228.452 h1.52 r90; Mechanical 12 "C62" at 102.94,2239.962 h1.52 r90; Mechanical 12 "C84" at 203.948,2253.956 h1.52 r90; Mechanical 12 "C88" at 196.43,2253.956 h1.52 r90; Mechanical 12 "C119" at 171.442,2253.464 h1.52 r90; Mechanical 12 "C121" at 163.949,2252.956 h1.52 r90; Mechanical 12 "C123" at 156.431,2252.956 h1.52 r90; Mechanical 12 "C125" at 148.938,2253.464 h1.52 r90; Mechanical 12 "C127" at 141.445,2253.464 h1.52 r90; Mechanical 12 "R177" at 91.897,2254.056 h1.52 r90; Mechanical 12 "R178" at 91.897,2261.549 h1.52 r90; Mechanical 12 "R153" at 213.046,2269.398 h1.52 r90; Mechanical 12 "R154" at 205.527,2269.398 h1.52 r90; Mechanical 12 "R155" at 198.034,2269.398 h1.52 r90; Mechanical 12 "R116" at 128.05,2269.394 h1.52 r90; Mechanical 12 "C66" at 77.441,2269.963 h1.52 r90; Mechanical 12 "C131" at 305.449,2277.448 h1.52 r90; Mechanical 12 "C67" at 76.933,2279.945 h1.52 r90; Mechanical 12 "R179" at 53.048,2277.907 h1.52 r90; Mechanical 12 "C129" at 305.449,2287.456 h1.52 r90; Mechanical 12 "R180" at 53.048,2286.413 h1.52 r90; Mechanical 12 "C139" at 52.949,2294.965 h1.52 r90; Mechanical 12 "C109" at 197.432,2302.453 h1.52 r90; Mechanical 12 "C142" at 52.946,2302.458 h1.52 r90; Mechanical 12 "C106" at 197.432,2309.946 h1.52 r90; Mechanical 12 "R143" at 187.889,2311.548 h1.52 r90; Mechanical 12 "R109" at 92.89,2311.562 h1.52 r90; Mechanical 12 "C68" at 77.441,2309.943 h1.52 r90; Mechanical 12 "C145" at 52.946,2309.951 h1.52 r90; Mechanical 12 "C122" at 221.932,2319.947 h1.52 r90; Mechanical 12 "R142" at 187.889,2319.048 h1.52 r90; Mechanical 12 "R110" at 94.388,2319.052 h1.52 r90; Mechanical 12 "C71" at 77.441,2319.95 h1.52 r90; Mechanical 12 "VT2" at 265.16,2327.484 h1.52 r90; Mechanical 12 "C120" at 221.932,2327.465 h1.52 r90; Mechanical 12 "R141" at 187.889,2326.548 h1.52 r90; Mechanical 12 "R111" at 94.308,2326.545 h1.52 r90; Mechanical 12 "C149" at 52.449,2327.448 h1.52 r90; Mechanical 12 "R231" at 270.53,2336.408 h1.52 r90; Mechanical 12 "C118" at 221.94,2334.948 h1.52 r90; Mechanical 12 "R140" at 187.889,2334.048 h1.52 r90; Mechanical 12 "R169" at 94.385,2334.064 h1.52 r90; Mechanical 12 "C146" at 52.446,2334.945 h1.52 r90; Mechanical 12 "DD15" at 249.726,2344.164 h1.52 r90; Mechanical 12 "C115" at 221.943,2342.451 h1.52 r90; Mechanical 12 "C143" at 52.449,2342.466 h1.52 r90; Mechanical 12 "R238" at 313.042,2350.395 h1.52 r90; Mechanical 12 "C171" at 274.054,2360.947 h1.52 r90; Mechanical 12 "DD17" at 257.959,2359.537 h1.52 r90; Mechanical 12 "C81" at 77.949,2359.955 h1.52 r90; Mechanical 12 "C85" at 77.441,2369.963 h1.52 r90; Mechanical 12 "R198" at 327.894,2376.547 h1.52 r90; Mechanical 12 "R185" at 317.883,2376.547 h1.52 r90; Mechanical 12 "C160" at 247.442,2374.956 h1.52 r90; Mechanical 12 "R200" at 327.894,2384.065 h1.52 r90; Mechanical 12 "R237" at 318.38,2384.053 h1.52 r90; Mechanical 12 "R186" at 327.883,2391.566 h1.52 r90; Mechanical 12 "R201" at 288.386,2391.565 h1.52 r90; Mechanical 12 "R184" at 280.53,2391.403 h1.52 r90; Mechanical 12 "R183" at 273.049,2391.401 h1.52 r90; Mechanical 12 "R211" at 327.894,2399.051 h1.52 r90; Mechanical 12 "C91" at 166.426,2401.448 h1.52 r90; Mechanical 12 "C86" at 158.944,2401.448 h1.52 r90; Mechanical 12 "C82" at 151.425,2401.448 h1.52 r90; Mechanical 12 "C78" at 143.932,2401.448 h1.52 r90; Mechanical 12 "C76" at 136.429,2400.951 h1.52 r90; Mechanical 12 "C95" at 118.929,2426.459 h1.52 r90; Mechanical 12 "R220" at 285.539,2456.907 h1.52 r90; Mechanical 12 "R217" at 278.046,2456.907 h1.52 r90; Mechanical 12 "R215" at 270.528,2456.907 h1.52 r90; Mechanical 12 "R213" at 263.035,2456.907 h1.52 r90; Mechanical 12 "R210" at 255.542,2456.907 h1.52 r90; Mechanical 12 "X1" at 125.385,2485.394 h1.52 r90; Mechanical 12 "R87" at 105.532,2075.404 h1.52 r90; Mechanical 12 "R84" at 120.543,2075.404 h1.52 r90; Mechanical 12 "VD16" at 72.131,2074.261 h1.52 r90; Mechanical 12 "R50" at 55.544,2075.404 h1.52 r90; Mechanical 12 "VD14" at 72.232,2084.243 h1.52 r90; Mechanical 12 "C57" at 80.64,2083.963 h1.52 r90; Mechanical 12 "C41" at 81.148,2091.456 h1.52 r90; Mechanical 12 "L8" at 268.627,2102.658 h1.52 r90; Mechanical 12 "L7" at 258.646,2102.652 h1.52 r90; Mechanical 12 "L4" at 226.126,2102.647 h1.52 r90; Mechanical 12 "L1" at 193.639,2103.152 h1.52 r90; Mechanical 12 "R56" at 105.532,2100.408 h1.52 r90; Mechanical 12 "RX_CLK-" at 77.5,2112.5 h1.52 r180; Mechanical 12 "RX_CLK+" at 77.5,2117.5 h1.52 r180; Mechanical 12 "RX_D0+" at 77.5,2127.5 h1.52 r180; Mechanical 12 "RX_D1-" at 77.5,2132.5 h1.52 r180; Mechanical 12 "RX_D1+" at 77.5,2137.5 h1.52 r180; Mechanical 12 "C17" at 194.94,2142.456 h1.52 r90; Mechanical 12 "RX_D2-" at 77.5,2142.5 h1.52 r180; Mechanical 12 "C18" at 195.448,2150.457 h1.52 r90; Mechanical 12 "C39" at 324.433,2172.449 h1.52 r90; Mechanical 12 "R92" at 113.05,2172.914 h1.52 r90; Mechanical 12 "C37" at 323.951,2180.958 h1.52 r90; Mechanical 12 "C22" at 194.94,2179.946 h1.52 r90; Mechanical 12 "R97" at 161.894,2181.55 h1.52 r90; Mechanical 12 "R8" at 260.541,2197.914 h1.52 r90; Mechanical 12 "R6" at 250.549,2196.404 h1.52 r90; Mechanical 12 "R3" at 235.53,2197.904 h1.52 r90; Mechanical 12 "R81" at 153.03,2197.908 h1.52 r90; Mechanical 12 "R78" at 138.044,2197.908 h1.52 r90; Mechanical 12 "R65" at 113.05,2197.908 h1.52 r90; Mechanical 12 "R58" at 88.031,2197.908 h1.52 r90; Mechanical 12 "C25" at 258.942,2205.966 h1.52 r90; Mechanical 12 "C24" at 266.949,2205.448 h1.52 r90; Mechanical 12 "C29" at 218.948,2206.452 h1.52 r90; Mechanical 12 "C97" at 178.944,2228.956 h1.52 r90; Mechanical 12 "C93" at 186.437,2229.464 h1.52 r90; Mechanical 12 "C107" at 153.931,2228.95 h1.52 r90; Mechanical 12 "C90" at 112.447,2239.962 h1.52 r90; Mechanical 12 "C80" at 211.441,2253.956 h1.52 r90; Mechanical 12 "C116" at 178.935,2253.464 h1.52 r90; Mechanical 12 "C113" at 186.428,2253.464 h1.52 r90; Mechanical 12 "R151" at 210.376,2311.548 h1.52 r90; Mechanical 12 "R150" at 210.376,2319.041 h1.52 r90; Mechanical 12 "C147" at 65.432,2319.959 h1.52 r90; Mechanical 12 "R149" at 210.376,2326.56 h1.52 r90; Mechanical 12 "C150" at 65.432,2327.452 h1.52 r90; Mechanical 12 "R148" at 210.376,2334.053 h1.52 r90; Mechanical 12 "C151" at 65.432,2334.945 h1.52 r90; Mechanical 12 "L24" at 236.134,2342.644 h1.52 r90; Mechanical 12 "C152" at 65.432,2342.463 h1.52 r90; Mechanical 12 "VT3" at 317.442,2394.399 h1.52 r90; Mechanical 12 "C74" at 128.946,2401.448 h1.52 r90; Mechanical 12 "C72" at 121.428,2401.448 h1.52 r90; Mechanical 12 "C70" at 113.935,2400.948 h1.52 r90; Mechanical 12 "C99" at 128.936,2426.459 h1.52 r90; Mechanical 12 "R224" at 300.551,2456.907 h1.52 r90; Mechanical 12 "R222" at 293.032,2456.907 h1.52 r90; Mechanical 12 "L11" at 298.647,2103.158 h1.52 r90; Mechanical 12 "L10" at 288.631,2103.158 h1.52 r90; Mechanical 12 "C172" at 213.943,2087.445 h1.52 r90; Mechanical 12 "R67" at 130.551,2087.9 h1.52 r90; Mechanical 12 "R66" at 135.529,2087.9 h1.52 r90; Mechanical 12 "R68" at 125.547,2087.9 h1.52 r90; Mechanical 12 "R70" at 115.539,2087.9 h1.52 r90; Mechanical 12 "R71" at 110.535,2087.9 h1.52 r90; Mechanical 12 "R73" at 100.528,2087.9 h1.52 r90; Mechanical 12 "R96" at 95.549,2087.9 h1.52 r90; Mechanical 12 "C44" at 73.934,2103.445 h1.52 r90; Mechanical 12 "C58" at 66.441,2102.963 h1.52 r90; Mechanical 12 "DD6" at 58.516,2086.351 h1.52 r90; Mechanical 12 "C59" at 58.948,2103.445 h1.52 r90; Mechanical 12 "R49" at 50.541,2086.91 h1.52 r90; Mechanical 12 "C60" at 51.43,2103.445 h1.52 r90; Mechanical 12 "R12" at 296.886,2136.561 h1.52 r90; Mechanical 12 "R10" at 296.9,2126.547 h1.52 r90; Mechanical 12 "R36" at 279.384,2136.555 h1.52 r90; Mechanical 12 "R34" at 279.395,2126.551 h1.52 r90; Mechanical 12 "R33" at 270.534,2120.411 h1.52 r90; Mechanical 12 "R32" at 265.541,2120.411 h1.52 r90; Mechanical 12 "R30" at 255.538,2120.415 h1.52 r90; Mechanical 12 "R28" at 245.548,2120.397 h1.52 r90; Mechanical 12 "R27" at 240.537,2120.411 h1.52 r90; Mechanical 12 "R25" at 230.54,2120.411 h1.52 r90; Mechanical 12 "R23" at 223.029,2121.394 h1.52 r90; Mechanical 12 "VD8" at 207.622,2137.249 h1.52 r90; Mechanical 12 "DD7" at 95.941,2126.804 h1.52 r90; Mechanical 12 "C52" at 50.64,2113.443 h1.52 r90; Mechanical 12 "C11" at 322.427,2159.953 h1.52 r90; Mechanical 12 "DD1" at 309.44,2144.483 h1.52 r90; Mechanical 12 "R17" at 296.877,2161.556 h1.52 r90; Mechanical 12 "R15" at 296.9,2151.566 h1.52 r90; Mechanical 12 "R14" at 296.889,2146.562 h1.52 r90; Mechanical 12 "R41" at 280.398,2161.552 h1.52 r90; Mechanical 12 "R39" at 280.397,2151.562 h1.52 r90; Mechanical 12 "R38" at 279.381,2146.558 h1.52 r90; Mechanical 12 "C19" at 195.93,2160.464 h1.52 r90; Mechanical 12 "C56" at 160.446,2162.449 h1.52 r90; Mechanical 12 "C55" at 160.446,2154.956 h1.52 r90; Mechanical 12 "R103" at 144.394,2146.549 h1.52 r90; Mechanical 12 "R102" at 144.394,2154.042 h1.52 r90; Mechanical 12 "R101" at 144.394,2161.56 h1.52 r90; Mechanical 12 "R100" at 144.394,2169.053 h1.52 r90; Mechanical 12 "L17" at 61.767,2159.768 h1.52 r90; Mechanical 12 "L16" at 61.767,2169.775 h1.52 r90; Mechanical 12 "DD5" at 320.449,2200.397 h1.52 r90; Mechanical 12 "VD11" at 312.245,2191.746 h1.52 r90; Mechanical 12 "R22" at 295.887,2186.55 h1.52 r90; Mechanical 12 "R20" at 296.9,2176.56 h1.52 r90; Mechanical 12 "R47" at 279.395,2191.545 h1.52 r90; Mechanical 12 "R46" at 279.392,2186.549 h1.52 r90; Mechanical 12 "R44" at 280.4,2176.542 h1.52 r90; Mechanical 12 "C8" at 205.444,2187.463 h1.52 r90; Mechanical 12 "R98" at 160.396,2176.546 h1.52 r90; Mechanical 12 "C42" at 84.831,2179.264 h1.52 r90; Mechanical 12 "L15" at 62.148,2179.402 h1.52 r90; Mechanical 12 "DD2" at 320.449,2210.405 h1.52 r90; Mechanical 12 "VD7" at 312.143,2209.258 h1.52 r90; Mechanical 12 "C40" at 293.144,2208.451 h1.52 r90; Mechanical 12 "C34" at 266.448,2218.948 h1.52 r90; Mechanical 12 "C33" at 256.427,2218.957 h1.52 r90; Mechanical 12 "C32" at 246.426,2219.449 h1.52 r90; Mechanical 12 "C31" at 236.437,2218.96 h1.52 r90; Mechanical 12 "C38" at 216.446,2219.46 h1.52 r90; Mechanical 12 "C36" at 213.949,2231.946 h1.52 r90; Mechanical 12 "DD8" at 110.333,2227.038 h1.52 r90; Mechanical 12 "L20" at 261.644,2267.157 h1.52 r90; Mechanical 12 "R156" at 188.035,2241.411 h1.52 r90; Mechanical 12 "R157" at 180.531,2241.411 h1.52 r90; Mechanical 12 "R158" at 173.038,2241.411 h1.52 r90; Mechanical 12 "R159" at 165.545,2241.411 h1.52 r90; Mechanical 12 "R160" at 158.027,2241.411 h1.52 r90; Mechanical 12 "R108" at 150.534,2241.411 h1.52 r90; Mechanical 12 "R161" at 143.03,2241.411 h1.52 r90; Mechanical 12 "L21" at 70.9,2250.16 h1.52 r90; Mechanical 12 "L22" at 61.129,2250.149 h1.52 r90; Mechanical 12 "C137" at 63.131,2265.944 h1.52 r90; Mechanical 12 "L23" at 51.132,2250.164 h1.52 r90; Mechanical 12 "C64" at 52.449,2266.649 h1.52 r90; Mechanical 12 "C128" at 305.449,2297.463 h1.52 r90; Mechanical 12 "DD11" at 280.257,2282.04 h1.52 r90; Mechanical 12 "DD10" at 274.267,2291.845 h1.52 r90; Mechanical 12 "C69" at 77.441,2299.96 h1.52 r90; Mechanical 12 "C65" at 77.441,2289.953 h1.52 r90; Mechanical 12 "C136" at 63.14,2280.966 h1.52 r90; Mechanical 12 "C135" at 63.14,2288.446 h1.52 r90; Mechanical 12 "C134" at 63.14,2273.453 h1.52 r90; Mechanical 12 "C158" at 288.938,2328.46 h1.52 r90; Mechanical 12 "C124" at 221.94,2312.454 h1.52 r90; Mechanical 12 "C103" at 197.432,2317.447 h1.52 r90; Mechanical 12 "C100" at 197.946,2324.965 h1.52 r90; Mechanical 12 "C96" at 197.429,2332.458 h1.52 r90; Mechanical 12 "DD9" at 123.69,2315.949 h1.52 r90; Mechanical 12 "C73" at 77.441,2329.958 h1.52 r90; Mechanical 12 "C148" at 52.949,2317.447 h1.52 r90; Mechanical 12 "VT4" at 301.489,2348.795 h1.52 r90; Mechanical 12 "R197" at 303.387,2339.056 h1.52 r90; Mechanical 12 "R196" at 295.382,2339.067 h1.52 r90; Mechanical 12 "C162" at 293.927,2361.444 h1.52 r90; Mechanical 12 "C167" at 288.931,2348.465 h1.52 r90; Mechanical 12 "C161" at 264.95,2349.956 h1.52 r90; Mechanical 12 "R199" at 248.157,2362.91 h1.52 r90; Mechanical 12 "C112" at 221.936,2349.944 h1.52 r90; Mechanical 12 "C92" at 197.93,2339.951 h1.52 r90; Mechanical 12 "C87" at 197.93,2347.452 h1.52 r90; Mechanical 12 "C83" at 197.932,2354.963 h1.52 r90; Mechanical 12 "C79" at 197.45,2364.949 h1.52 r90; Mechanical 12 "R139" at 187.889,2341.548 h1.52 r90; Mechanical 12 "R138" at 187.889,2349.048 h1.52 r90; Mechanical 12 "R137" at 187.889,2356.548 h1.52 r90; Mechanical 12 "R115" at 94.308,2341.557 h1.52 r90; Mechanical 12 "R114" at 94.385,2349.05 h1.52 r90; Mechanical 12 "R113" at 94.385,2356.543 h1.52 r90; Mechanical 12 "C77" at 77.441,2349.948 h1.52 r90; Mechanical 12 "C75" at 77.949,2339.965 h1.52 r90; Mechanical 12 "C140" at 52.446,2349.956 h1.52 r90; Mechanical 12 "R218" at 295.534,2379.409 h1.52 r90; Mechanical 12 "R226" at 288.041,2378.909 h1.52 r90; Mechanical 12 "R181" at 280.542,2379.405 h1.52 r90; Mechanical 12 "R182" at 273.049,2379.405 h1.52 r90; Mechanical 12 "R187" at 247.895,2396.565 h1.52 r90; Mechanical 12 "R194" at 236.886,2396.546 h1.52 r90; Mechanical 12 "R126" at 168.025,2388.898 h1.52 r90; Mechanical 12 "R125" at 160.532,2388.898 h1.52 r90; Mechanical 12 "R121" at 130.55,2388.898 h1.52 r90; Mechanical 12 "R120" at 123.031,2388.898 h1.52 r90; Mechanical 12 "R119" at 115.538,2388.898 h1.52 r90; Mechanical 12 "C61" at 93.945,2373.959 h1.52 r90; Mechanical 12 "C98" at 77.428,2394.95 h1.52 r90; Mechanical 12 "C94" at 77.928,2387.442 h1.52 r90; Mechanical 12 "C89" at 77.441,2379.945 h1.52 r90; Mechanical 12 "R219" at 327.894,2429.059 h1.52 r90; Mechanical 12 "R216" at 327.894,2421.566 h1.52 r90; Mechanical 12 "R214" at 327.894,2414.048 h1.52 r90; Mechanical 12 "R212" at 327.894,2406.544 h1.52 r90; Mechanical 12 "R236" at 317.897,2404.043 h1.52 r90; Mechanical 12 "R233" at 317.9,2411.547 h1.52 r90; Mechanical 12 "R209" at 317.893,2419.058 h1.52 r90; Mechanical 12 "DD16" at 273.497,2414.15 h1.52 r90; Mechanical 12 "R203" at 247.877,2419.047 h1.52 r90; Mechanical 12 "R202" at 247.877,2411.554 h1.52 r90; Mechanical 12 "R195" at 248.382,2427.051 h1.52 r90; Mechanical 12 "R188" at 247.877,2404.061 h1.52 r90; Mechanical 12 "R208" at 236.886,2410.542 h1.52 r90; Mechanical 12 "R192" at 236.886,2418.06 h1.52 r90; Mechanical 12 "R136" at 168.042,2413.398 h1.52 r90; Mechanical 12 "C117" at 168.926,2426.453 h1.52 r90; Mechanical 12 "R135" at 160.549,2413.398 h1.52 r90; Mechanical 12 "R134" at 155.545,2413.398 h1.52 r90; Mechanical 12 "C111" at 158.934,2426.459 h1.52 r90; Mechanical 12 "R133" at 148.027,2413.398 h1.52 r90; Mechanical 12 "C108" at 151.441,2426.459 h1.52 r90; Mechanical 12 "R132" at 140.534,2413.398 h1.52 r90; Mechanical 12 "C105" at 143.948,2426.459 h1.52 r90; Mechanical 12 "R131" at 133.041,2413.398 h1.52 r90; Mechanical 12 "C102" at 136.429,2426.459 h1.52 r90; Mechanical 12 "R128" at 125.548,2413.398 h1.52 r90; Mechanical 12 "R127" at 118.044,2413.898 h1.52 r90; Mechanical 12 "R223" at 327.894,2444.045 h1.52 r90; Mechanical 12 "R221" at 327.894,2436.552 h1.52 r90; Mechanical 12 "R204" at 317.89,2439.048 h1.52 r90; Mechanical 12 "R235" at 285.549,2446.41 h1.52 r90; Mechanical 12 "R234" at 278.037,2446.407 h1.52 r90; Mechanical 12 "R230" at 270.541,2446.911 h1.52 r90; Mechanical 12 "DD13" at 172.896,2454.649 h1.52 r90; Mechanical 12 "C169" at 296.449,2471.446 h1.52 r90; Mechanical 12 "C166" at 286.437,2470.946 h1.52 r90; Mechanical 12 "R206" at 277.029,2485.399 h1.52 r90; Mechanical 12 "C164" at 266.431,2470.947 h1.52 r90; Mechanical 12 "C170" at 256.429,2470.96 h1.52 r90; Mechanical 12 "L12" at 308.627,2102.652 h1.52 r90; Mechanical 12 "X2" at 227.608,2081.628 h1.52 r90; Mechanical 12 "R72" at 105.532,2087.9 h1.52 r90; Mechanical 12 "R69" at 120.543,2087.9 h1.52 r90; Mechanical 12 "VD15" at 72.131,2079.264 h1.52 r90; Mechanical 12 "VD13" at 72.232,2089.247 h1.52 r90; Mechanical 12 "VD12" at 72.232,2094.25 h1.52 r90; Mechanical 12 "C49" at 81.427,2103.445 h1.52 r90; Mechanical 12 "VD4" at 324.749,2136.757 h1.52 r90; Mechanical 12 "R31" at 260.549,2120.407 h1.52 r90; Mechanical 12 "R29" at 250.541,2120.411 h1.52 r90; Mechanical 12 "R26" at 235.544,2119.41 h1.52 r90; Mechanical 12 "R24" at 218.05,2121.394 h1.52 r90; Mechanical 12 "RX_D0-" at 77.5,2122.5 h1.52 r180; Mechanical 12 "VD2" at 324.749,2151.747 h1.52 r90; Mechanical 12 "VD1" at 323.733,2144.254 h1.52 r90; Mechanical 12 "DD4" at 235.277,2153.794 h1.52 r90; Mechanical 12 "C21" at 195.448,2169.964 h1.52 r90; Mechanical 12 "RX_D2+" at 77.5,2147.5 h1.52 r180; Mechanical 12 "C35" at 292.644,2218.95 h1.52 r90; Mechanical 12 "C14" at 292.644,2226.443 h1.52 r90; Mechanical 12 "C6" at 292.644,2235.46 h1.52 r90; Mechanical 12 "C30" at 226.444,2218.957 h1.52 r90; Mechanical 12 "L19" at 81.143,2250.166 h1.52 r90; Mechanical 12 "DD12" at 260.3,2282.143 h1.52 r90; Mechanical 12 "C138" at 65.443,2297.465 h1.52 r90; Mechanical 12 "C163" at 275.631,2328.446 h1.52 r90; Mechanical 12 "C144" at 65.432,2312.466 h1.52 r90; Mechanical 12 "C165" at 276.434,2348.962 h1.52 r90; Mechanical 12 "C159" at 283.926,2361.459 h1.52 r90; Mechanical 12 "ZQ1" at 243.393,2355.049 h1.52 r90; Mechanical 12 "R147" at 210.376,2341.546 h1.52 r90; Mechanical 12 "R146" at 210.376,2349.05 h1.52 r90; Mechanical 12 "R145" at 210.376,2356.543 h1.52 r90; Mechanical 12 "C155" at 64.935,2364.445 h1.52 r90; Mechanical 12 "C154" at 64.935,2357.46 h1.52 r90; Mechanical 12 "C153" at 65.432,2349.956 h1.52 r90; Mechanical 12 "R124" at 153.039,2388.898 h1.52 r90; Mechanical 12 "R123" at 145.546,2388.898 h1.52 r90; Mechanical 12 "R122" at 138.028,2389.398 h1.52 r90; Mechanical 12 "C157" at 64.935,2379.965 h1.52 r90; Mechanical 12 "C156" at 64.935,2372.446 h1.52 r90; Mechanical 12 "VT1" at 317.43,2429.409 h1.52 r90; Mechanical 12 "R228" at 308.4,2419.066 h1.52 r90; Mechanical 12 "R227" at 307.9,2411.562 h1.52 r90; Mechanical 12 "R225" at 307.9,2404.044 h1.52 r90; Mechanical 12 "C114" at 178.937,2425.956 h1.52 r90; Mechanical 12 "R229" at 293.027,2446.399 h1.52 r90; Mechanical 12 "DD14" at 55.398,2454.658 h1.52 r90; Mechanical 12 "R190" at 292.04,2485.399 h1.52 r90; Mechanical 12 "R189" at 299.533,2485.399 h1.52 r90; Mechanical 12 "R207" at 284.547,2485.399 h1.52 r90; Mechanical 12 "R191" at 268.032,2485.399 h1.52 r90; Mechanical 12 "C168" at 276.444,2470.946 h1.52 r90; Mechanical 12 "R117" at 130.543,2239.394 h1.52 r90; Mechanical 12 "R118" at 123.047,2239.394 h1.52 r90; Mechanical 12 "R232" at 327.89,2369.045 h1.52 r90; Mechanical 12 "C130" at 305.449,2267.466 h1.52 r90; Mechanical 12 "R176" at 295.544,2300.408 h1.52 r90; Mechanical 12 "VD17" at 285.744,2336.764 h1.52 r90; Mechanical 12 "R175" at 290.539,2300.408 h1.52 r90; Mechanical 12 "R174" at 285.532,2300.408 h1.52 r90; Mechanical 12 "C133" at 288.927,2268.463 h1.52 r90; Mechanical 12 "R205" at 278.048,2336.408 h1.52 r90; Mechanical 12 "R173" at 280.544,2300.394 h1.52 r90; Mechanical 12 "C132" at 278.945,2268.463 h1.52 r90; Mechanical 12 "R171" at 270.55,2300.408 h1.52 r90; Mechanical 12 "R239" at 263.041,2336.908 h1.52 r90; Mechanical 12 "R170" at 265.538,2300.408 h1.52 r90; Mechanical 12 "C126" at 221.932,2304.95 h1.52 r90; Mechanical 12 "R162" at 188.034,2268.908 h1.52 r90; Mechanical 12 "R144" at 187.889,2304.048 h1.52 r90; Mechanical 12 "R163" at 180.541,2268.908 h1.52 r90; Mechanical 12 "R164" at 173.048,2268.908 h1.52 r90; Mechanical 12 "R165" at 165.545,2268.908 h1.52 r90; Mechanical 12 "R166" at 158.026,2268.908 h1.52 r90; Mechanical 12 "R167" at 150.533,2268.908 h1.52 r90; Mechanical 12 "R168" at 143.029,2268.908 h1.52 r90; Mechanical 12 "R112" at 135.528,2268.905 h1.52 r90; Mechanical 12 "C63" at 93.945,2366.455 h1.52 r90; Mechanical 12 "R193" at 236.886,2403.049 h1.52 r90; Mechanical 12 "R172" at 275.528,2300.408 h1.52 r90; Mechanical 12 "R152" at 210.376,2304.045 h1.52 r90; Mechanical 12 "R130" at 120.55,2268.905 h1.52 r90; Mechanical 12 "R129" at 113.043,2268.904 h1.52 r90; Mechanical 12 "C141" at 64.935,2304.958 h1.52 r90
ZBOAS265780314: Mechanical 12 "Таблица 1" at 42.5,2041.5 h7.68; Mechanical 12 "Обозначение" at 48.206,2034.143 h7.68; Mechanical 12 "отв." at 57.342,2026.643 h7.68; Mechanical 12 "Диаметр отв.," at 84.658,2034.143 h7.68; Mechanical 12 "мм" at 96.609,2026.643 h7.68; Mechanical 12 "Диаметр конт." at 120,2034.143 h7.68; Mechanical 12 "площадки, мм" at 121.226,2026.643 h7.68; Mechanical 12 "Наличие" at 161.513,2034.143 h7.68; Mechanical 12 "металлизации" at 154.877,2026.643 h7.68; Mechanical 12 "Кол." at 193.744,2034.143 h7.68; Mechanical 12 "отв." at 193.534,2026.643 h7.68; Mechanical 12 "847" at 193.354,2018.893 h7.68; Mechanical 12 "0,9" at 96.182,2018.893 h7.68; Mechanical 12 "Да" at 167.29,2018.893 h7.68; Mechanical 12 "переходное" at 52.864,2018.893 h7.68; Mechanical 12 "1,0" at 133.069,2018.893 h7.68; Mechanical 12 "498" at 193.587,2010.893 h7.68; Mechanical 12 "0,6" at 96.37,2010.893 h7.68; Mechanical 12 "Да" at 167.29,2010.893 h7.68; Mechanical 12 "1,0" at 133.069,2010.893 h7.68; Mechanical 12 "15" at 195.664,2002.893 h7.68; Mechanical 12 "0,7" at 96.066,2002.893 h7.68; Mechanical 12 "Да" at 167.29,2002.893 h7.68; Mechanical 12 "1,2" at 133.084,2002.893 h7.68; Mechanical 12 "30" at 194.869,1994.893 h7.68; Mechanical 12 "0,8" at 96.257,1994.893 h7.68; Mechanical 12 "Да" at 167.29,1994.893 h7.68; Mechanical 12 "1,2" at 133.084,1994.893 h7.68; Mechanical 12 "2" at 196.087,1986.69 h7.68; Mechanical 12 "2" at 97.895,1986.69 h7.68; Mechanical 12 "Да" at 167.29,1986.69 h7.68; Mechanical 12 "2,5" at 132.211,1986.69 h7.68; Mechanical 12 "4" at 196.627,1976.783 h7.68; Mechanical 12 "4" at 98.435,1976.783 h7.68; Mechanical 12 "Нет" at 165.873,1976.783 h7.68; Mechanical 12 "-" at 134.535,1976.783 h7.68